# Altium PCB CrypTech.PcbDoc (part 5 of 6) (continued)
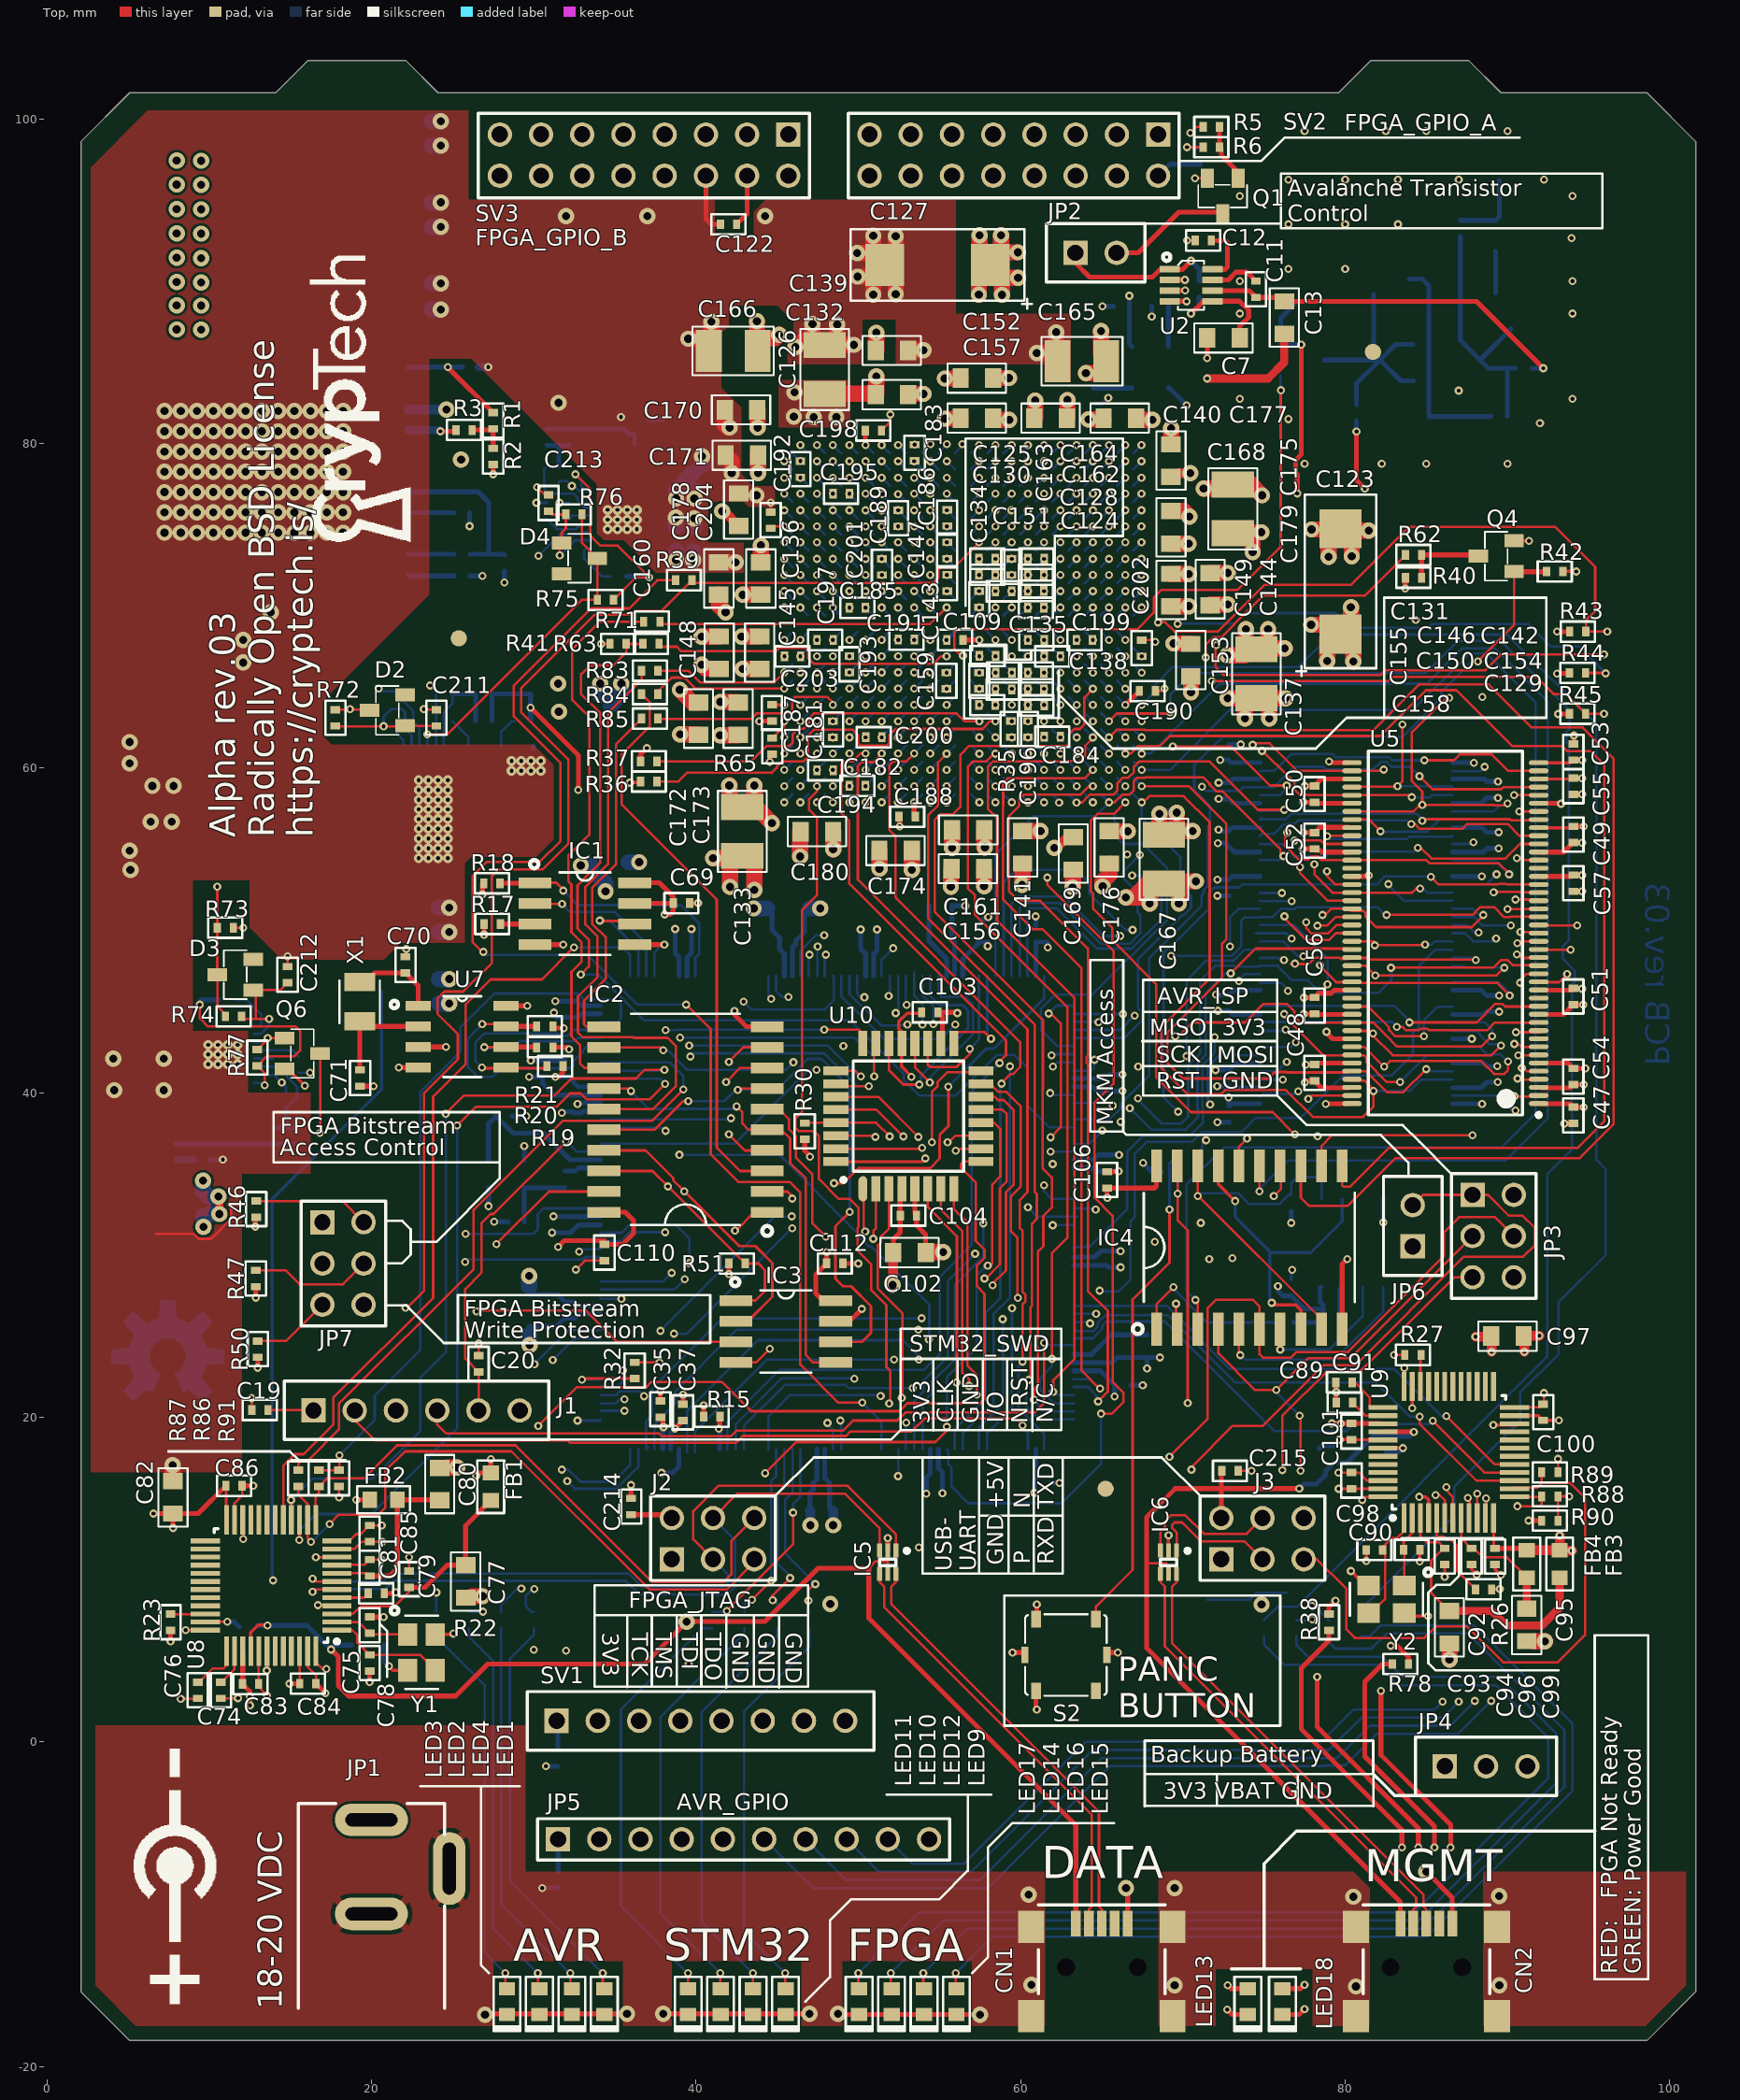
[diagram p0: Top view]
## Nets (pads, with @x,y where several pads share a name; then routed paths per layer and width w, separated by ;. In a path a pad name is that pad's centre, name@x,y a point inside that pad or via, vN(x,y) a via of type N, cw(c..) or ccw(c..) an arc to the next point about the centre after c; other vN are vias at no path point) (continued)
  Bottom w0.5: C4.2@26.6,84.7 v1(27.2,84.7)
  Bottom w0.6: U1.3@22.276,82.093 v2(24.618,82.093) ; C21.2@48.427,14.249 48.45,14.226 v2(48.45,13.35)
  Bottom w1: C3.2@23.725,88.25 v2(24.275,88.25) ; C3.2@23.725,89.85 v2(24.275,89.85) ; C2.2@23.725,93.35 v2(24.275,93.35) ; C2.2@23.725,94.85 v2(24.275,94.85) ; C1.2@23.725,98.35 v2(24.275,98.35) ; C1.2@23.725,99.85 v2(24.275,99.85) ; C206.2@24.161,45.5 v2(24.8,45.5) ; C206.2@24.161,47 v2(24.8,47) ; C205.2@24.161,49.9 v2(24.8,49.9) ; C205.2@24.161,51.4 v2(24.8,51.4) ; v2(29.75,24.45) C26.2@29.75,25.089 ; v2(32.9,54) C209.2@33.539,54 ; C209.2@34.1,53.239 34.425,52.914 v2(34.425,52.4) ; C210.2@34.1,64.461 v2@34.1,65.1 ; C210.2@34.747,63.908 35.4,64.561 v2(35.4,65.2) ; C209.2@35.861,54.2 v2(36.5,54.2) ; 38.75,74.875 v2(38.75,75.425) ; v2(38.775,72.825) C113.2@38.775,73.375 ; v2(38.775,76.6) 38.775,77.15 C119.2@39.8,78.175 ; v2(39.825,72.8) C113.2@39.825,73.35 ; C113.2@39.875,74.825 v2(39.875,75.375) ; v2(39.9,76.6) C119.2@39.9,77.15 ; C119.2@40.375,78.65 v2(40.375,79.2) ; v2@43.75,51.35 C27.2@44.389,51.35
  other v1: 89.525,9.425 20.625,11.228 53.725,11.975 55.186,15.314 79.45,21.55 76.725,29.075 71.625,29.75 73.05,29.8 68.265,30.81 71.1,31.975 32.7,39.3 14.475,40.625 53.275,40.975 78.85,43.75 31.236,44.936 94.677,45.423 22.15,48.85 49.456,58.89 48.44,59.889 59.453,61.885 60.453,61.885 61.453,61.885 48.44,61.89 50.446,61.89 45.449,66.878 49.456,66.89 68.3,67.775 52.453,67.89 63.453,67.885 49.456,69.888 51.46,71.89 52.451,74.887 48.44,76.898 77.5,78.75 82.25,78.75 85,78.75 90,78.75 53.467,79.926 92,81.25 76.5,81.5 35.375,81.625 73.5,82.75 94,82.75 87,83.25 73.5,88 94,88 70.225,88.75 73.5,90 94,90 76.5,90.75 80,90.75 93.955,92.648 76.5,93.5 80,93.5 83.25,93.5 73.5,95.25 94,95.25 76.5,96.25 80,96.25 83.25,96.25 87,96.25 92.25,96.25 70.75,96.339 77.5,99.25 82.5,99.25 85,99.25 90,99.25
  other v2: 48.75,-16.75 80.66,-15.068 69.488,-15 89.5,-15 60.66,-14.964 80.5,-9.536 89.487,-9.5 60.5,-9.414 69.488,-9 74.85,8.475 48.275,8.5 4.15,40.15 7.2,40.15 4.1,42.1 7.2,42.1 43.55,51.35 67.95,51.65 63.2,52.65 60.1,52.8 5.15,53.725 5.1,54.9 6.4,56.7 7.7,56.7 6.5,58.9 7.8,58.9 5.1,60.3 5.1,61.6 31.55,63.475 31.5,65.2 34.1,65.2 12.1,66.5 12.1,67.9 13.8,69.6 7.25,74.5 8.25,74.5 9.25,74.5 10.25,74.5 11.25,74.5 12.25,74.5 13.25,74.5 14.25,74.5 15.25,74.5 16.25,74.5 17.25,74.5 18.25,74.5 7.25,75.75 8.25,75.75 9.25,75.75 10.25,75.75 11.25,75.75 12.25,75.75 13.25,75.75 14.25,75.75 15.25,75.75 16.25,75.75 17.25,75.75 18.25,75.75 43.725,76.8 7.25,77 8.25,77 9.25,77 10.25,77 11.25,77 12.25,77 13.25,77 14.25,77 15.25,77 16.25,77 17.25,77 18.25,77 7.25,78.25 8.25,78.25 9.25,78.25 10.25,78.25 11.25,78.25 12.25,78.25 13.25,78.25 14.25,78.25 15.25,78.25 16.25,78.25 17.25,78.25 18.25,78.25 25.525,79 7.25,79.5 8.25,79.5 9.25,79.5 10.25,79.5 11.25,79.5 12.25,79.5 13.25,79.5 14.25,79.5 15.25,79.5 16.25,79.5 17.25,79.5 18.25,79.5 7.25,80.75 8.25,80.75 9.25,80.75 10.25,80.75 11.25,80.75 12.25,80.75 13.25,80.75 14.25,80.75 15.25,80.75 16.25,80.75 17.25,80.75 18.25,80.75 42.075,80.975 7.25,82 8.25,82 9.25,82 10.25,82 11.25,82 12.25,82 13.25,82 14.25,82 15.25,82 16.25,82 17.25,82 18.25,82 31.525,82.5 32,94 37,94 44.25,94
  other v3: 9.946,41.747 10.546,41.747 11.146,41.747 11.746,41.747 9.946,42.347 10.546,42.347 11.146,42.347 11.746,42.347 9.946,42.947 10.546,42.947 11.146,42.947 11.746,42.947 22.909,54.455 23.509,54.455 24.109,54.455 24.709,54.455 22.909,55.055 23.509,55.055 24.109,55.055 24.709,55.055 22.909,55.655 23.509,55.655 24.109,55.655 24.709,55.655 22.909,56.255 23.509,56.255 24.109,56.255 24.709,56.255 22.909,56.855 23.509,56.855 24.109,56.855 24.709,56.855 22.909,57.455 23.509,57.455 24.109,57.455 24.709,57.455 22.909,58.055 23.509,58.055 24.109,58.055 24.709,58.055 22.909,58.655 23.509,58.655 24.109,58.655 24.709,58.655 22.909,59.255 23.509,59.255 24.109,59.255 24.709,59.255 28.634,59.83 29.234,59.83 29.834,59.83 30.434,59.83 28.634,60.43 29.234,60.43 29.834,60.43 30.434,60.43 34.558,74.706 35.158,74.706 35.758,74.706 36.358,74.706 34.558,75.306 35.158,75.306 35.758,75.306 36.358,75.306 34.558,75.906 35.158,75.906 35.758,75.906 36.358,75.906
KSM_PROM_CS_N: IC1.1 R18.2 U4.61 | length 16.8
  Top w0.164: IC1.1@30.082,52.933 31.392,52.933 31.825,52.5 v1(31.825,52.45)
  Top w0.3: R18.2@27.839,52.908 30.056,52.908 IC1.1@30.082,52.933
  Bottom w0.164: v1(31.825,52.45) 32.712,51.563 39.062,51.563 40.2,50.425 40.2,48.559 39.954,48.314 U4.61@39.954,47.193
KSM_PROM_MISO: IC1.2 U4.55 | length 11.5
  Top w0.15: IC1.2@30.082,51.663 v1(31.75,51.625) 30.12,51.625 IC1.2@30.082,51.663
  Bottom w0.15: v1(31.75,51.625) 32.25,51.125 35.007,51.125 36.932,49.2 U4.55@36.932,47.193
KSM_PROM_MOSI: IC1.5 U4.56 | length 4.1
  Top w0.3: IC1.5@36.229,49.123 v1(38.05,49.123)
  Bottom w0.15: U4.56@37.44,47.193 37.44,48.64 37.923,49.123 v1(38.05,49.123)
KSM_PROM_SCLK: IC1.6 U4.54 | length 7.2
  Top w0.164: v1(34.075,50.6) 33.975,50.6 33.95,50.575 36.047,50.575 IC1.6@36.229,50.393
  Bottom w0.15: U4.54@36.449,47.193 36.449,48.825
  Bottom w0.164: v1(34.075,50.6) 34.674,50.6 36.449,48.825
MKM_AVR_CS_N: IC4.2 U10.14 | length 30
  Top w0.15: U10.14@57.558,39.75 58.4,39.75 58.6,39.55 58.95,39.55 59.575,38.925 59.575,34.35 59.1,33.875 59.1,29.05 58.275,28.225 v1(58.275,28.129) ; v1(69.575,27) 69.575,25.507 IC4.2@69.647,25.435
  Inner Layer 2 w0.15: v1(58.275,28.129) 58.275,25.75 58.85,25.175 67.75,25.175 v1(69.575,27)
MKM_AVR_MISO: IC4.12 JP3.1 JP6.2 U10.28 | length 107.5
  Top w0.15: U10.28@48.841,38.956 51.119,38.956 v1(52.775,37.3) ; v1(70.525,16.775) 70.525,16.93 73.07,19.475 74.925,19.475 78.65,23.2 80.625,23.2 87.325,29.9 90.982,29.9 91.676,30.594 91.676,31.674 90.928,32.422 90.091,32.422 88.807,33.706 JP3.1@87.847,33.706 84.797,33.706 JP6.2@84.161,33.07 ; IC4.12@78.537,35.493 78.537,36.712 79.203,37.378 v1(87.847,37.378)
  Inner Layer 2 w0.15: v1(52.775,37.3) 52.775,37.2 51.75,36.175 47.925,36.175 47.2,35.45 45.25,35.45 43.7,33.9 43.7,21.425 48.275,16.85 70.45,16.85 v1(70.525,16.775) ; JP3.1@87.847,33.706 v1(87.847,37.378)
MKM_AVR_MOSI: IC4.6 JP3.4 U10.27 | length 93.2
  Top w0.15: U10.27@48.841,39.744 51.231,39.744 v1(53.7,37.275) ; v1(69.175,17.575) 71.525,19.925 71.525,26.725 72.05,27.25 74.3,27.25 74.727,26.823 IC4.6@74.727,25.435 74.727,23.873 74.925,23.675 76.65,23.675 77,24.025 80.175,24.025 86.075,29.925 86.075,31.375 87.025,32.325 89.228,32.325 JP3.4@90.387,31.166
  Inner Layer 2 w0.15: v1(53.7,37.275) 53.7,37.175 52.25,35.725 48.1,35.725 47.45,35.075 45.575,35.075 44.075,33.575 44.075,21.65 48.025,17.7 69.175,17.7 v1(69.175,17.575)
MKM_AVR_SCK: IC4.4 JP3.3 U10.30 | length 90.3
  Top w0.15: U10.30@48.841,37.356 50.969,37.356 v1(51.05,37.275) ; IC4.4@72.187,25.435 72.187,23.938 74.45,21.675 v1(75.75,21.675) 77.709,23.634 80.316,23.634 JP3.3@87.847,31.166 ; v1(77.2,20.1) 77.25,20.05 v1(77.25,16.7)
  Inner Layer 2 w0.15: v1(51.05,37.275) 45.575,37.275 42.875,34.575 42.875,20.975 48.425,15.425 53.1,15.425 53.491,15.816 61.038,15.816 61.378,15.476 76.001,15.476 77.25,16.725 v1(77.25,16.7)
  Bottom w0.15: v1(75.75,21.675) 75.75,21.55 v1(77.2,20.1)
MKM_CONTROL_AVR_ENA: IC4.1 R80.1 U10.15 | length 35.8
  Top w0.15: U10.15@57.325,40.557 U10.15@57.558,40.557 ; U10.15@57.558,40.55 58.126,40.55 58.626,40.05 59.125,40.05 60,39.175 60,34.2 59.4,33.6 59.4,31.476 59.8,31.076 59.8,27.375 v1(59.825,27.35) ; IC4.1@68.377,25.435 68.377,26.977 v1(69.425,28.025)
  Inner Layer 2 w0.15: v1(59.825,27.35) 59.85,27.325 68.725,27.325 v1(69.425,28.025)
  Bottom w0.15: v1(69.425,28.025) 69.425,27.903 71.487,25.841 R80.1@75.827,25.841
MKM_CONTROL_FPGA_DIS: IC4.19 R81.1 U10.16 | length 71.5
  Top w0.15: v1(54.528,36.952) 54.528,40.028 54.878,40.378 54.878,40.653 55.493,41.268 57.325,41.268 U10.16@57.325,41.344 ; IC4.19@69.647,35.493 69.675,35.465 v1(69.675,33.775) 69.675,32.15 70.3,31.525 v1(70.3,20.875)
  Inner Layer 2 w0.15: v1(54.528,36.952) 54.975,36.504 54.975,35.85 52.693,33.568 48.943,33.568 48.375,33 45.853,33 45.35,32.497 45.35,25.8 45.775,25.375 45.775,23.7 50.524,18.951 68.376,18.951 v1(70.3,20.875)
  Bottom w0.15: v1(69.675,33.775) R81.1@69.675,35.15
MKM_CS_N: IC4.9 IC4.18 R34.1 U12.1 | length 23.5
  Top w0.15: v1@70.917,33.633 IC4.18@70.917,35.493 ; v1(70.925,33.625) 70.972,33.625 78.537,26.06 IC4.9@78.537,25.435
  Top w0.3: v1@70.917,33.633 v1(70.925,33.625)
  Bottom w0.15: v1(70.925,33.625) 71.1,33.8 73.422,33.8 74.072,33.15 75.975,33.15 76.525,33.7 R34.1@76.675,33.7 76.675,34.45 77.025,34.8 78.275,34.8 78.537,34.538 U12.1@78.537,33.436
MKM_FPGA_CS_N: IC4.11 U13.W2 | length 74.8
  Top w0.15: v1(66.453,60.885) 66.782,60.885 67.257,61.36 68.588,61.36 69.203,61.975 82.153,61.975 84.978,64.8 86.847,64.8 90.287,61.36 93.347,61.36 93.663,61.043 94.449,61.043 94.456,61.05 95.125,61.05 95.975,60.2 95.975,38.25 94.325,36.6 82.7,36.6 80.3,34.2 79.9,34.2 79.807,34.293 IC4.11@79.807,35.493
  Bottom w0.15: U13.W2@65.953,61.385 v1(66.453,60.885)
MKM_FPGA_MISO: IC4.3 U13.Y1 | length 87.2
  Top w0.15: v1(70.775,27.225) 70.917,27.083 IC4.3@70.917,25.435
  Bottom w0.15: U13.Y1@66.953,60.385 v1(67.453,59.885) 69.21,59.885 72.9,63.575 73.325,63.575 73.525,63.775 75.825,63.775 76.025,63.575 84.175,63.575 87.65,67.05 88.725,67.05 91.725,64.05 91.725,38.725 89.625,36.625 72.525,36.625 70.225,34.325 70.225,27.775 v1(70.775,27.225)
MKM_FPGA_MOSI: IC4.15 U13.W1 | length 76.7
  Top w0.15: v1(74.725,33.925) IC4.15@74.725,35.493
  Bottom w0.15: U13.W1@66.953,61.385 v1(67.453,60.885) 67.982,60.885 72.297,65.2 85.025,65.2 87.2,67.375 89.2,67.375 92.475,64.1 92.475,38.4 89.9,35.825 76.475,35.825 74.725,34.075 v1(74.725,33.925)
MKM_FPGA_SCK: IC4.13 U13.V3 | length 81.1
  Top w0.15: v1(65.453,61.885) 65.928,62.36 67.65,62.36 67.685,62.325 75.625,62.325 81.725,62.325 84.55,65.15 88.85,65.15 91.5,62.5 94.625,62.5 96.55,60.575 96.55,38.075 94.45,35.975 83.1,35.975 80.15,33.025 77.775,33.025 77.267,33.533 IC4.13@77.267,35.493
  Bottom w0.15: U13.V3@64.953,62.385 v1(65.453,61.885)
MKM_MISO: IC4.8 IC4.17 U12.2 | length 19.6
  Top w0.2: IC4.17@72.187,35.493 72.187,34.363 v1(73.225,33.325) ; v1(75.475,27.05) 75.6,26.925 76.95,26.925 77.267,26.608 IC4.8@77.267,25.435
  Bottom w0.2: v1(73.225,33.325) 73.225,32.35 75.425,30.15 ; v1(75.475,27.05) 75.475,27.125 75.35,27.25 75.35,30.075 75.425,30.15 ; U12.2@79.807,33.436 79.807,32.082 77.875,30.15 75.425,30.15
MKM_MOSI: IC4.5 IC4.14 U12.5 | length 26
  Top w0.15: IC4.5@73.457,25.435 73.457,23.907 v1(73.539,23.825) ; v1(75.6,33.625) 76.05,34.075 76.05,35.44 IC4.14@75.997,35.493
  Inner Layer 1 w0.15: v1(73.539,23.825) 75,25.286 75,33.025 v1(75.6,33.625)
  Bottom w0.15: v1(73.539,23.825) 73.814,23.55 79.35,23.55 82.347,26.547 U12.5@82.347,28.026
MKM_SCK: IC4.7 IC4.16 U12.6 | length 26.1
  Top w0.15: IC4.16@73.457,35.493 73.457,36.682 v1(73.95,37.175) ; v1(75.997,24.175) IC4.7@75.997,25.435
  Inner Layer 1 w0.15: v1(73.95,37.175) 77.35,33.775 77.35,25.175 76.35,24.175 v1(75.997,24.175)
  Bottom w0.15: v1(75.997,24.175) 79.025,24.175 81.077,26.227 U12.6@81.077,28.026
NetC5_1: C5.1 U1.8 | length 2.8
  Bottom w0.3: U1.8@22.276,75.743 25.032,75.743 C5.1@25.05,75.725
NetC11_1: C11.1 U2.7 | length 3.1
  Top w0.3: U2.7@71.821,90.075 72.797,90.075 73.272,90.55 73.95,90.55 C11.1@74.5,90
NetC12_2: C12.2 U2.8 | length 3.5
  Top w0.3: C12.2@71.75,92.5 72.607,92.5 72.75,92.357 72.75,90.872 72.603,90.725 U2.8@71.821,90.725
NetC15_2: C15.2 D1.1 R12.1 T2.1 | length 13.3
  Bottom w0.3: D1.1@83.955,90.129 84.74,90.129 85.158,89.711 R12.1@85.158,86.106 85.158,81.66 T2.1@85.151,81.653 88.951,81.653 C15.2@88.984,81.686
NetC17_2: C17.2 Q3.1 R14.2 | length 4.6
  Bottom w0.3: C17.2@29.425,32.05 29.418,32.057 Q3.1@29.418,34.137 31.894,34.137 R14.2@31.928,34.171
NetC70_2: C70.2 U7.1 X1.P$1 | length 5.4
  Top w0.3: X1.P$1@19.275,46.819 19.644,46.819 20.2,47.375 C70.2@22.1,47.375 22.882,46.593 U7.1@22.882,45.355
NetC71_2: C71.2 U7.2 X1.P$2 | length 6.7
  Top w0.3: C71.2@19.3,41.4 19.275,41.425 X1.P$2@19.275,44.4 19.59,44.085 U7.2@22.882,44.085
NetC75_2: C75.2 U8.1 Y1.3 | length 7.2
  Top w0.15: U8.1@18.069,6.886 18.814,6.886 19.125,6.575 19.125,6.125 C75.2@19.889,5.361 22.986,5.361 Y1.3@23.939,4.408
NetC78_2: C78.2 U8.2 Y1.1 | length 4.5
  Top w0.15: U8.2@18.069,7.386 19.201,7.386 C78.2@19.889,6.698 19.969,6.618 Y1.1@22.237,6.618
NetC90_2: C90.2 U9.1 Y2.3 | length 7.3
  Top w0.15: Y2.3@81.433,7.936 81.586,7.936 82.45,8.8 82.45,12.144 ; C90.2@82.136,11.83 82.45,12.144 ; U9.1@83.635,13.6 83.635,12.985 83.208,12.558 82.864,12.558 82.45,12.144
NetC93_2: C93.2 U9.2 Y2.1 | length 4.2
  Top w0.15: Y2.1@83.643,9.638 83.643,11.787 C93.2@83.599,11.83 83.599,12.324 84.125,12.85 84.125,13.589 U9.2@84.135,13.6
NetC115_1: C115.1 U14.30 | length 1.5
  Bottom w0.15: C115.1@32.182,75.344 32.377,75.54 U14.30@33.553,75.54
NetC116_1: C116.1 U15.30 | length 1.2
  Bottom w0.15: U15.30@12.751,42.113 13.938,42.113 C116.1@13.95,42.125
NetC117_1: C117.1 C119.1 FB5.1 R56.2 R60.2 U14.5 U14.6 U14.7 U14.8 U14.9 U14.10 U14.11 | length 7
  Bottom w0.25: U14.5@36.208,79.956 36.208,80.492
  Bottom w0.3: R56.2@30.81,80.891 C117.1@32.182,80.891 35.56,80.891 35.89,80.56 36.14,80.56 36.208,80.492 ; R60.2@37.1,81.475 37.975,81.475
NetC117_2: C117.2 R56.1 R57.2 U14.31 | length 8.4
  Bottom w0.15: R57.2@31.547,78.605 30.83,78.605 30.65,78.425 30.65,77.522 30.675,77.497 30.675,77.175 30.95,76.9 32.469,76.9 32.707,76.663 32.707,76.502 33.161,76.048 U14.31@33.553,76.048
  Bottom w0.3: R56.1@30.81,79.891 31.6,79.891 ; R57.2@31.547,78.605 31.547,79.838 31.6,79.891 ; C117.2@32.182,79.891 31.6,79.891
NetC118_1: C118.1 C120.1 FB6.1 R58.2 R61.2 U15.5 U15.6 U15.7 U15.8 U15.9 U15.10 U15.11 | length 8.5
  Bottom w0.15: C118.1@13.975,36.85 C118.1@13.987,36.838
  Bottom w0.3: 7.925,36.85 C118.1@13.975,36.85 ; C118.1@13.987,36.838 R58.2@15.367,36.838
  Bottom w0.4: 8.01,35.865 R61.2@9.025,35.865
NetC118_2: C118.2 R58.1 R59.2 U15.31 | length 7.6
  Bottom w0.15: U15.31@12.751,41.605 14.57,41.605 14.8,41.375 14.8,40.975 15.425,40.35 15.425,39.741 R59.2@14.732,39.048 ; 14.7,37.85 14.732,37.882 ; R58.1@15.355,37.85 R58.1@15.367,37.838
  Bottom w0.3: C118.2@13.975,37.85 14.7,37.85 R58.1@15.355,37.85 ; 14.732,37.882 R59.2@14.732,39.048
NetC207_1: C207.1 U16.59 | length 1.9
  Bottom w0.15: C207.1@24.986,62.89 25.984,61.892 U16.59@25.984,61.392
NetC208_1: C208.1 C209.1 C210.1 FB7.1 R67.2 R68.2 R70.2 U16.5 U16.6 U16.7 U16.8 U16.9 U16.10 U16.11 U16.12 U16.13 | length 12
  Top w0.3: v1(29.802,63.725) 32.75,60.777 v1(32.75,58.65)
  Bottom w0.15: R67.2@29.802,62.9 R67.2@29.812,62.89
  Bottom w0.3: C208.1@27.424,62.89 R68.2@27.424,64.567 R70.2@29.802,64.567 v1(29.802,63.725) R67.2@29.802,62.9
NetC208_2: C208.2 R68.1 R69.2 U16.56 | length 6.5
  Bottom w0.15: U16.56@24.46,61.392 24.46,63.435 24.986,63.961 R69.2@24.986,64.567
  Bottom w0.3: R69.2@24.986,64.567 R68.1@26.424,64.567 C208.2@26.424,62.89
NetIC1_3: IC1.3 R17.2 | length 2.1
  Top w0.3: R17.2@27.94,50.393 IC1.3@30.082,50.393
NetJP2_2: JP2.2 Q1.3 | length 7.3
  Top w0.3: JP2.2@65.917,91.745 67.245,91.745 69.75,94.25 Q1.3@72.202,94.25
NetLED1_1: LED1.1 R92.1 | length 24.9
  Top w0.15: v1(45.5,-14.25) 45.5,-15.186 LED1.1@45.514,-15.2
  Bottom w0.15: v1(45.5,-14.25) 42.951,-11.701 42.951,1.849 47,5.898 R92.1@47,7
NetLED2_1: LED2.1 R94.1 | length 25.9
  Top w0.15: v1(41.5,-14.25) 41.5,-15.186 LED2.1@41.514,-15.2
  Bottom w0.15: v1(41.5,-14.25) 37.8,-10.55 37.8,1.507 43,6.707 R94.1@43,7
NetLED3_1: LED3.1 R93.1 | length 26.6
  Top w0.15: v1(39.5,-14.25) 39.5,-15.186 LED3.1@39.514,-15.2
  Bottom w0.15: v1(39.5,-14.25) 35.375,-10.125 35.375,2 35.37,2 40.37,7 R93.1@41,7
NetLED4_1: LED4.1 R16.1 | length 25.4
  Top w0.15: v1(43.5,-14.25) 43.5,-15.186 LED4.1@43.514,-15.2
  Bottom w0.15: v1(43.5,-14.25) 40.349,-11.099 40.349,1.849 45,6.5 R16.1@45,7
NetLED9_1: LED9.1 R95.1 | length 25.2
  Top w0.15: v1(34.25,-14.25) 34.25,-15.1 LED9.1@34.35,-15.2
  Bottom w0.15: R95.1@30,7 30,6.582 28.525,5.107 28.525,-8.525 v1(34.25,-14.25)
NetLED10_1: LED10.1 R97.1 | length 24
  Top w0.15: v1(30.255,-14.25) 30.255,-15.105 LED10.1@30.35,-15.2
  Bottom w0.15: R97.1@26,7 26,6.5 27.5,5 27.5,-11.495 v1(30.255,-14.25)
NetLED11_1: LED11.1 R96.1 | length 24
  Top w0.15: v1(28.25,-14.25) 28.25,-15.1 LED11.1@28.35,-15.2
  Bottom w0.15: R96.1@24,7 24,6.468 26.984,3.484 26.984,-12.984 v1(28.25,-14.25)
NetLED12_1: LED12.1 R31.1 | length 24
  Top w0.15: v1(32.25,-14.25) 32.25,-15.1 LED12.1@32.35,-15.2
  Bottom w0.15: R31.1@28,7 28,-10 v1(32.25,-14.25)
NetLED13_1: LED13.1 R38.1 | length 33.2
  Top w0.3: v1(72.75,-15) 72.95,-15.2 LED13.1@74,-15.2 ; R38.1@79,6.875 79,6.24 77.291,4.531 77.291,0.784 83.5,-5.426 v1(83.5,-6.5)
  Inner Layer 2 w0.15: v1(72.75,-15) 73.954,-13.796 77.887,-13.796 83.5,-8.184 v1(83.5,-6.5)
NetLED14_1: LED14.1 R99.1 | length 68.7
  Top w0.15: v1(52,-14.25) 52,-15.15 LED14.1@52.05,-15.2
  Bottom w0.15: v1(52,-14.25) 55.25,-11 84.521,-11 93,-2.521 93,0.5 91.1,2.4 89.5,4 83.528,4 82.278,5.25 77.7,5.25 77,5.95 R99.1@77,6.5
NetLED15_1: LED15.1 R64.1 | length 63.6
  Top w0.15: v1(56,-14.25) 56,-15.15 LED15.1@56.05,-15.2
  Bottom w0.15: v1(56,-14.25) 58.25,-12 85.021,-12 94,-3.021 94,1.131 87.956,7.175 82.183,7.175 81.508,6.5 R64.1@81,6.5
NetLED16_1: LED16.1 R98.1 | length 66.6
  Top w0.15: v1(54,-14.25) 54,-15.15 LED16.1@54.05,-15.2
  Bottom w0.15: v1(54,-14.25) 56.75,-11.5 84.771,-11.5 93.5,-2.771 93.5,0.75 87.575,6.675 82.55,6.675 81.625,5.75 79.383,5.75 79,6.133 R98.1@79,6.5
NetLED17_1: LED17.1 R100.1 | length 71.3
  Top w0.15: v1(50,-14.25) 50,-15.15 LED17.1@50.05,-15.2
  Bottom w0.15: v1(50,-14.25) 53.75,-10.5 84.25,-10.5 92.5,-2.25 92.5,0.275 89.275,3.5 83.258,3.5 82.008,4.75 76.25,4.75 75,6 R100.1@75,6.5
NetLED18_1: LED18.1 R78.1 | length 28.8
  Top w0.3: LED18.1@76.132,-15.2 77.26,-15.2 v1(77.496,-14.964) ; R78.1@82.9,4.8 82.3,4.8 81.207,3.708 81.207,-0.903 85.5,-5.196 v1(85.5,-6.5)
  Inner Layer 2 w0.15: v1(77.496,-14.964) 78.248,-14.964 83.961,-9.25 85.054,-9.25 85.958,-8.346 85.958,-6.958 v1(85.5,-6.5)
NetLED18_2: LED18.2 Q6.3 | length 123.1
  Top w0.15: v1(16.825,37.525) 16.84,37.54 Q6.3@16.84,42.411
  Top w0.3: LED18.2@76.132,-16.8 77.166,-16.8 v1(77.496,-16.469) ; v1(82.2,3.15) 82.2,-0.8 86.5,-5.1 v1(86.5,-6.5)
  Inner Layer 1 w0.15: v1(16.825,37.525) 16.825,36.65 15.025,34.85 15.025,23.95 17.808,21.167 17.808,19.692 31.202,6.298 54.746,6.298 57.164,3.881 76.936,3.881 77.667,3.15 v1(82.2,3.15)
  Inner Layer 2 w0.15: v1(77.496,-16.469) 84.216,-9.75 85.258,-9.75 86.5,-8.508 v1(86.5,-6.5)
NetQ1_1: Q1.1 R5.2 R6.1 | length 3.5
  Top w0.3: R6.1@72.25,98.25 R5.2@72.25,99.5 ; R6.1@72.368,98.132 72.368,97.746 73.402,96.712 Q1.1@73.402,96.339
NetQ5_1: Q5.1 R49.1 | length 2.5
  Bottom w0.3: R49.1@69.08,88.443 69.101,88.422 Q5.1@69.101,85.961
NetQ5_3: Q5.3 R4.2 | length 2.4
  Bottom w0.3: R4.2@64.491,83.431 64.508,83.414 Q5.3@66.878,83.414
NetR1_1: R1.1 R2.2 R3.1 | length 2.5
  Top w0.3: R3.1@26.205,80.831 R1.1@27.5,80.831 ; R2.2@27.5,79.7 R1.1@27.5,80.831 ; R1.1@27.5,80.9 R1.1@27.5,80.831
NetR3_2: R3.2 U1.4 | length 3
  Top w0.3: v1(24.25,80.75) 25.124,80.75 R3.2@25.205,80.831
  Bottom w0.5: U1.4@22.276,80.823 24.177,80.823 v1(24.25,80.75)
NetR8_1: R8.1 R9.2 U1.7 | length 10.5
  Bottom w0.3: U1.7@22.276,77.013 26.587,77.013 27.225,76.375 27.225,73.25 ; R8.1@26.078,73.177 28.135,73.177 R9.2@28.194,73.119
NetR32_2: R32.2 U4.6 | length 4.4
  Top w0.164: v1@32.95,22.35 32.985,22.385 R32.2@36.22,22.385
  Bottom w0.164: v1(32.975,22.325) 34.085,22.325 U4.6@34.112,22.352
NetR33_2: R33.2 U12.7 | length 2.3
  Bottom w0.3: R33.2@79.646,25.841 79.646,27.865 U12.7@79.807,28.026
NetR52_1: R52.1 U14.26 | length 3.1
  Bottom w0.15: U14.26@33.553,73.533 33.233,73.533 33.1,73.4 33.1,72.925 34.219,71.806 R52.1@34.73,71.806
NetR53_2: R53.2 U14.29 | length 3.1
  Bottom w0.15: R53.2@30.81,75.344 31.43,74.725 32.6,74.725 32.907,75.032 U14.29@33.553,75.032
NetR54_1: R54.1 U15.26 | length 3.1
  Bottom w0.15: R54.1@11.592,45.72 12.305,45.72 13.2,44.825 13.2,44.21 13.11,44.12 U15.26@12.751,44.12
NetR55_2: R55.2 U15.29 | length 2.9
  Bottom w0.15: U15.29@12.751,42.621 15.13,42.621 R55.2@15.519,42.232
NetR65_1: R65.1 U13.U22 | length 2
  Top w0.15: R65.1@44.7,61.85 45.442,62.592 v1(45.442,62.89)
  Bottom w0.15: v1(45.442,62.89) U13.U22@45.938,63.385
NetR66_1: R66.1 U16.51 | length 1.7
  Bottom w0.15: R66.1@21.573,62.89 21.573,62.127 21.971,61.729 U16.51@21.971,61.392
NetR67_1: R67.1 U16.63 | length 1.9
  Bottom w0.15: U16.63@27.984,61.392 27.984,62.209 28.665,62.89 R67.1@28.812,62.89
NOISE_IN: C14.2 Q2.2 R10.2 | length 4.7
  Bottom w0.3: R10.2@87.097,93.743 89.266,93.743 89.492,93.97 C14.2@89.492,96.215
NOISE_OUT: Q2.1 T1.1 | length 2.6
  Bottom w0.3: T1.1@89.271,89.263 89.271,91.834 Q2.1@89.273,91.836
NRST: C20.1 J1.5 U4.34 | length 22
  Top w0.15: J1.5@26.594,20.422 26.6,20.428 C20.1@26.6,22.8 25.775,23.625 25.775,27.9 26.775,28.9 26.775,31.947 27.353,32.525 27.525,32.525 v1(32,37)
  Bottom w0.15: v1(32,37) 32.627,36.373 U4.34@34.112,36.373
OSC_IN: R14.1 U4.32 | length 2.3
  Bottom w0.3: R14.1@31.928,35.171 32.571,35.171 32.757,35.357 U4.32@34.112,35.357
OSC_OUT: C18.2 Q3.3 U4.33 | length 10.5
  Bottom w0.3: Q3.3@27.208,35.839 27.208,38.083 C18.2@27.675,38.55 28.725,37.5 30.6,37.5 32.235,35.865 U4.33@34.112,35.865
POK_VCCAUX: D3.3 R73.1 R74.1 U14.28 | length 40.8
  Top w0.15: v1(10.498,52.7) R73.1@10.498,50.165 10.498,47.279 D3.3@10.508,47.269 10.508,45.34 11.057,44.791 R74.1@11.057,44.552
  Inner Layer 2 w0.15: v1(10.498,52.7) 20.275,62.477 20.275,62.84 30.3,72.865 v1(30.3,73.075)
  Bottom w0.15: v1(30.3,73.075) 31.625,74.4 32.9,74.4 33.049,74.549 U14.28@33.553,74.549
POK_VCCINT: D4.3 R75.1 R76.1 U16.54 | length 20.3
  Top w0.15: v1(23.437,62.069) 23.431,62.075 24.675,62.075 32.958,70.358 R75.1@33.917,70.358 D4.3@33.917,72.923 32.975,73.865 R76.1@32.975,75.625
  Bottom w0.15: v1(23.437,62.069) 23.437,61.425 U16.54@23.47,61.392
POK_VCCO: Q6.1 R77.1 U15.28 | length 3
  Top w0.15: R77.1@12.971,42.657 13.611,43.296 v1(13.611,43.361) Q6.1@14.64,43.361
  Bottom w0.15: U15.28@12.751,43.104 13.354,43.104 v1(13.611,43.361)
PWR_18V: C1.1 C2.1 C3.1 C4.1 C7.1 JP1.1 R1.2 R7.1 U1.1 U1.2 U2.5 | length 14.1
  Top w0.3: v1(24.7,84.7) R1.2@27.5,81.9 ; v1(70.5,88) 71.259,88.759 U2.5@71.821,88.759 ; U2.5@72.321,88.759 73.491,88.759 73.7,88.55 73.728,88.55 74.05,88.228 74.05,87.772 73.5,87.222 C7.1@73.5,86.5
  Bottom w0.3: U1.1@22.276,84.633 22.343,84.7 v1(24.7,84.7) C4.1@25.6,84.7 ; v1(70.5,88) 71,88.5 R7.1@71,89
  other v2: 9.5,87 8,87.02 9.5,88.495 8,88.515 9.5,89.925 8,89.945 9.5,91.42 8,91.44 9.5,92.925 8,92.945 9.5,94.42 8,94.44 8,95.945 9.5,95.925 9.5,97.42 8,97.44
PWR_ENA_VCCAUX: C213.1 D4.1 R76.2 U14.27 | length 6.2
  Top w0.15: C213.1@30.912,75.827 31.114,75.625 R76.2@31.975,75.625 31.975,74.75 31.717,74.492 D4.1@31.717,73.873 31.6,73.757 v1(31.6,73.1)
  Bottom w0.15: v1(31.6,73.1) 32.541,74.041 U14.27@33.553,74.041
PWR_ENA_VCCINT: C211.1 D2.1 R72.2 U16.52 | length 10.7
  Top w0.15: R72.2@17.78,62.594 17.799,62.575 v1(20.75,62.575) 22.055,62.575 D2.1@22.08,62.601 23.996,62.601 C211.1@24.003,62.594
  Bottom w0.15: v1(20.75,62.575) 20.75,63.175 21.2,63.625 21.9,63.625 22.075,63.45 22.075,62.4 22.479,61.996 U16.52@22.479,61.392
PWR_ENA_VCCO: C212.1 D3.1 R74.2 U15.27 | length 7.4
  Top w0.15: R74.2@12.057,44.552 12.875,44.552 ; v1(13.698,44.552) 12.875,44.552 ; C212.1@14.834,46.769 14.384,46.319 D3.1@12.708,46.319 12.875,46.152 12.875,44.552
  Bottom w0.15: U15.27@12.751,43.612 13.19,43.612 13.414,43.836 13.43,43.836 13.698,44.104 v1(13.698,44.552)
RAW_NOISE: C15.1 R10.1 R11.2 T1.3 TP1.TP | length 16.1
  Bottom w0.3: R10.1@87.097,92.743 87.097,86.36 TP1.TP@88.316,85.141 ; C15.1@89.984,81.686 89.984,84.624 89.975,84.633 ; T1.3@90.221,87.063 88.316,85.158 TP1.TP@88.316,85.141 ; R11.2@90.483,84.633 89.975,84.633 ; TP1.TP@88.316,85.141 88.824,84.633 89.975,84.633
RTC_MFP: R21.2 U4.47 U7.7 | length 15.9
  Top w0.15: v1(26.825,44.225) 28.152,44.225 U7.7@28.292,44.085
  Top w0.3: U7.7@28.292,44.085 30.174,44.085 R21.2@30.183,44.094
  Bottom w0.15: v1(26.825,44.225) 25.95,43.35 25.95,41.55 26.525,40.975 27.475,40.975 28.05,41.55 29.578,41.55 29.625,41.503 32.296,41.503 32.453,41.66 32.453,41.928 33.036,42.511 33.036,42.613 33.299,42.875 U4.47@34.112,42.875
RTC_SCL: R20.2 U4.48 U7.6 | length 10.7
  Top w0.15: v1(26.95,42.8) 28.277,42.8 U7.6@28.292,42.815
  Top w0.3: U7.6@28.292,42.815 30.167,42.815 R20.2@30.183,42.799
  Bottom w0.15: v1(26.95,42.8) 27.025,42.725 28.7,42.725 29.15,43.175 32.492,43.175 32.675,43.358 U4.48@34.112,43.358